# Altium PCB 控制盒基板.PcbDoc (part 1 of 8) (continued)
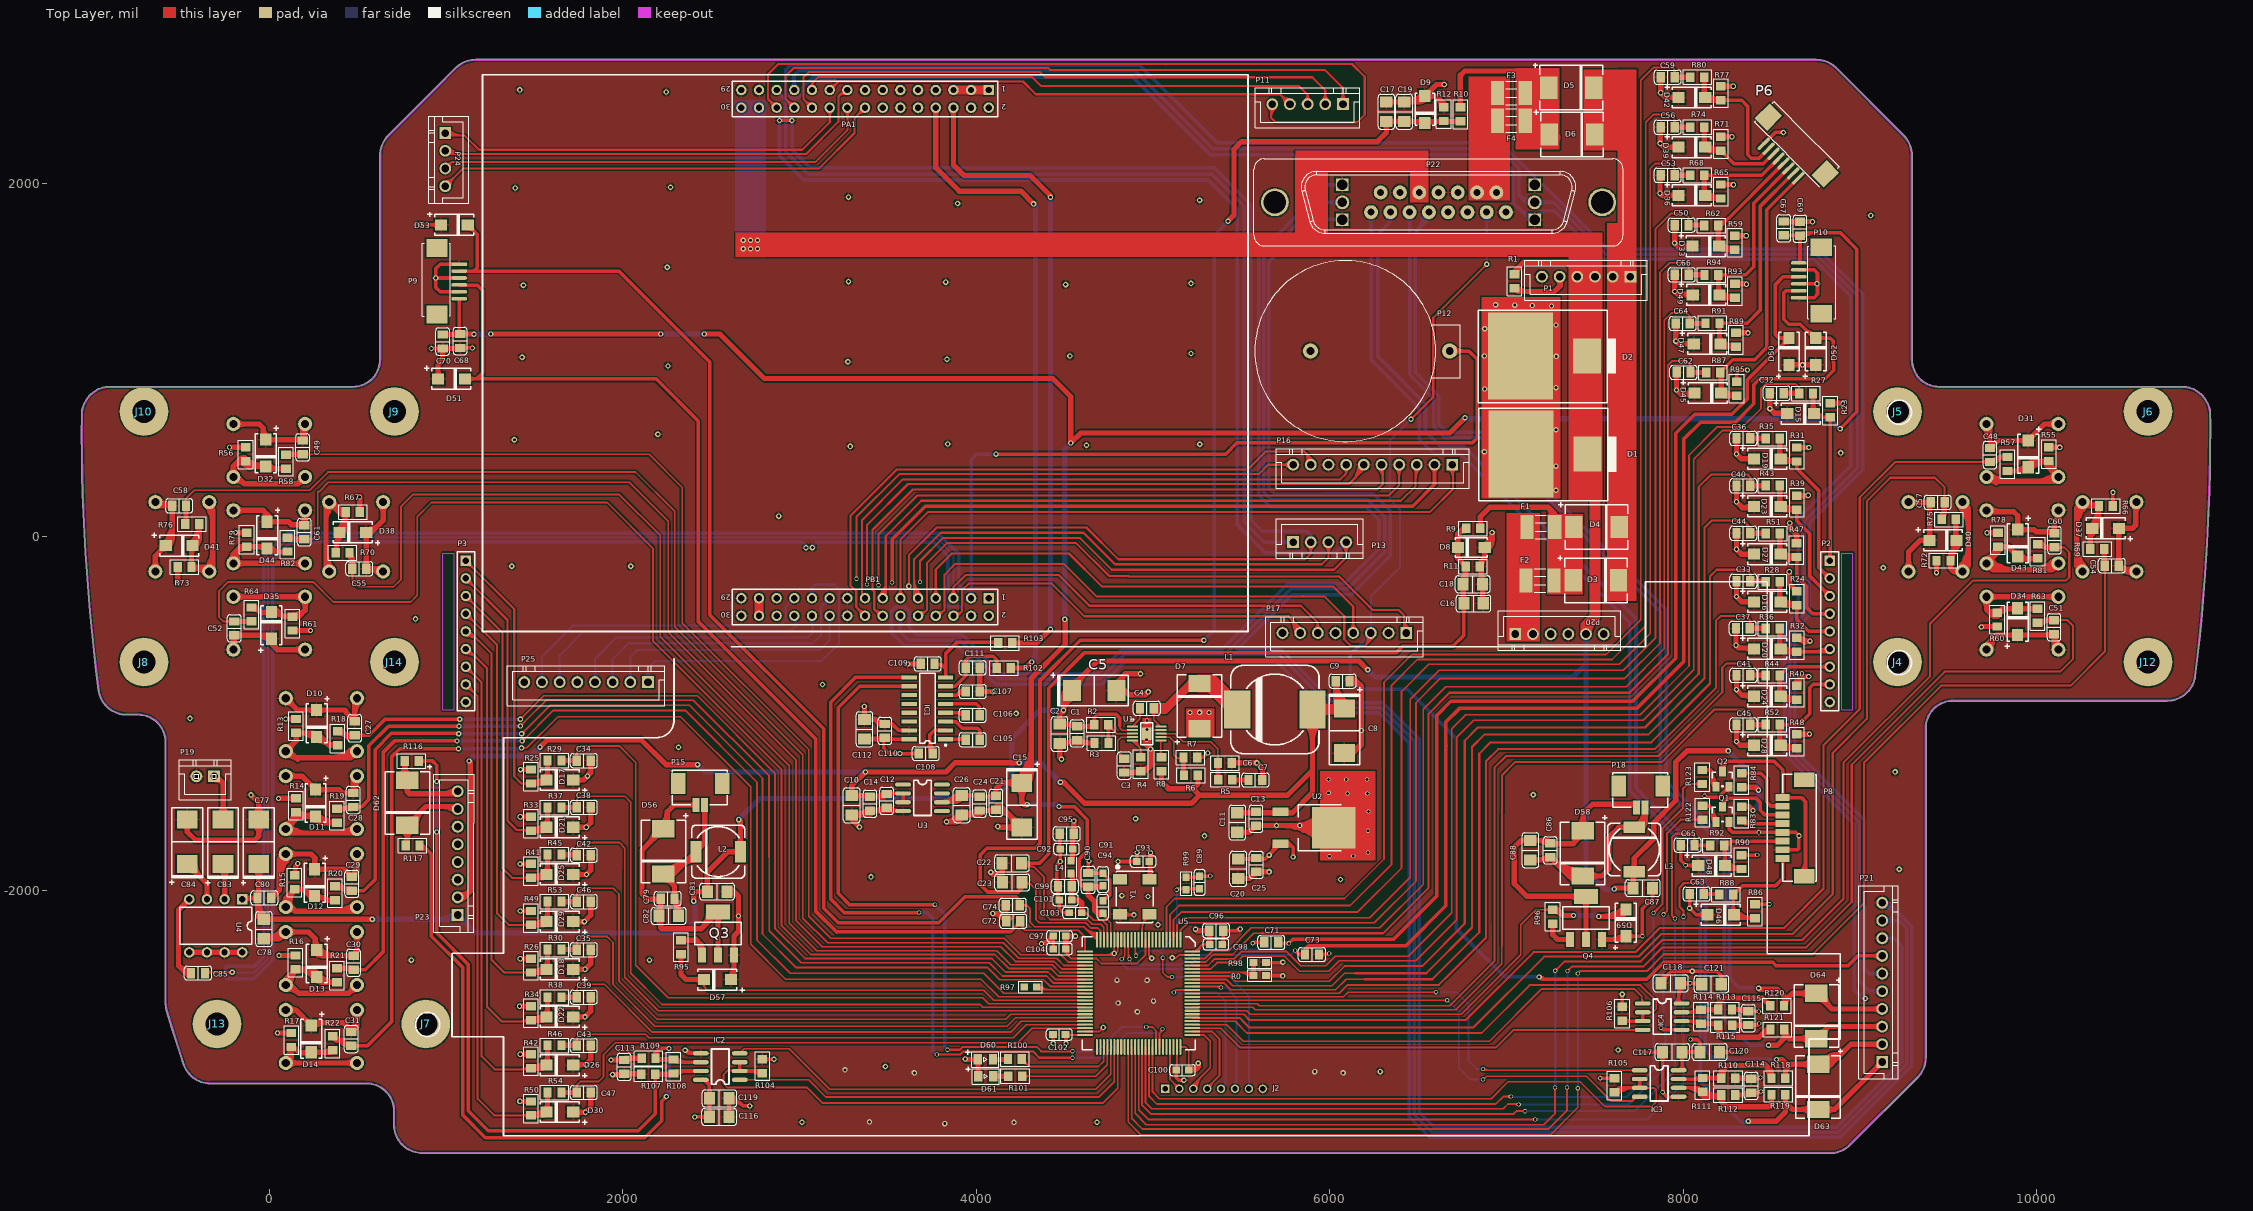
[diagram p0: Top Layer view]
## Components (designator, comment, footprint, x,y, rotation, side; value= is the part's Value field where it differs from the comment)
C1 "0.1uF" C0805 4571,-1112 r90 top
C2 "10uF" C1206 4472,-1115 r90 top
C3 "15nF" C0805 4838,-1294 r90 top
C4 "0.1uF" C0805 4966,-970 r180 top
C5 "470uF/50V" CT7343-E 4667,-869 r0 top
C6 "22pF" R0805 5407,-1279 r180 top
C7 "2200pF" C0805 5580,-1376 r180 top
C8 "100uF, 16V" CT7343-E 6083,-1098 r270 top
C9 "0.1uF" C0805 6073,-816 r0 top
C10 "22uF" C1206 3295.96,-1519 r90 top
C11 "22uF" C1206 5478,-1616 r270 top
C12 "0.1uF" C0805 3492.96,-1494 r90 top
C13 "0.1uF" C0805 5583,-1594.35 r90 top
C14 "100pF" C0805 3398.96,-1510 r90 top
C15 "100uF/16V" CT7343-E 4258,-1518 r270 top
C16 "10uF" C1206 6814,-377 r180 top
C17 "10uF" C1206 6321,2405.19 r270 top
C18 "0.1uF" C1206 6810,-268 r180 top
C19 "0.1uF" C1206 6422,2405.19 r270 top
C20 "22uF" C1206 5483,-1878 r270 top
C21 "100pF" C0805 4111.96,-1504 r90 top
C22 "100pF" C1206 4202,-1847 r0 top
C23 "100pF" C1206 4204,-1955 r0 top
C24 "0.1uF" C0805 4018.96,-1509 r90 top
C25 "0.1uF" C0805 5585,-1856.35 r90 top
C26 "22uF" C1206 3918,-1518 r90 top
C27 "100pF" C0805 484,-1083 r90 top
C28 "100pF" C0805 475,-1489 r90 top
C29 "100pF" C0805 468,-1963 r90 top
C30 "100pF" C0805 477,-2410 r90 top
C31 "100pF" C0805 464,-2841 r90 top
C32 "100pF" C0805 8530,813 r180 top
C33 "100pF" C0805 8341,-251 r180 top
C34 "100pF" C0805 1780,-1266 r0 top
C35 "100pF" C0805 1780,-2336 r0 top
C36 "100pF" C0805 8341,557 r180 top
C37 "100pF" C0805 8338,-518 r180 top
C38 "100pF" C0805 1780,-1531 r0 top
C39 "100pF" C0805 1780,-2604 r0 top
C40 "100pF" C0805 8341,289 r180 top
C41 "100pF" C0805 8341,-784 r180 top
C42 "100pF" C0805 1780,-1801 r0 top
C43 "100pF" C0805 1780,-2878 r0 top
C44 "100pF" C0805 8341,20 r180 top
C45 "100pF" C0805 8341,-1064 r180 top
C46 "100pF" C0805 1780,-2064 r0 top
C47 "100pF" C0805 1780,-3144 r0 top
C48 "100pF" C0805 9736,463 r90 top
C49 "100pF" C0805 189,506 r90 top
C50 "100pF" C0805 7991,1764 r180 top
C51 "100pF" C0805 10098,-511 r270 top
C52 "100pF" C0805 -198,-518 r270 top
C53 "100pF" C0805 7912,2046 r180 top
C54 "100pF" C0805 10425,-163 r0 top
C55 "100pF" C0805 510,-180 r0 top
C56 "100pF" C0805 7912,2318 r180 top
C57 "100pF" C0805 9440,195 r180 top
C58 "100pF" C0805 -510,176 r180 top
C59 "100pF" C0805 7912,2601 r180 top
C60 "100pF" C0805 10101,-20 r90 top
C61 "100pF" C0805 198,26 r90 top
C62 "100pF" C0805 8002,930 r180 top
C63 "100pF" C0805 8076,-2021 r180 top
C64 "100pF" C0805 7998,1207 r180 top
C65 "100pF" C0805 8025,-1744 r180 top
C66 "100pF" C0805 7992,1483 r180 top
C67 "100pF" C0805 8569.34,1745.03 r90 top
C68 "100pF" C0805 1080,1108 r270 top
C69 "1uF" C0805 8661,1743.37 r90 top
C70 "1uF" C0805 981,1105 r270 top
C71 "100pF" C0805 5670,-2295 r180 top
C72 "100pF" C0805 4210,-2175 r180 top
C73 "100pF" C0805 5900,-2363 r0 top
C74 "100pF" C0805 4207,-2085 r180 top
C77 "470uF/35V" CT7343-E -59,-1725 r90 top
C78 "10uF" C1206 -30,-2219 r90 top
C79 "0.1uF" C0805 2254,-2047 r0 top
C80 "0.1uF" C0805 -27,-2043 r180 top
C81 "10uF" C1206 2534,-2007 r180 top
C82 "10uF" C1206 2260,-2145 r180 top
C83 "470uF/35V" CT7343-E -261,-1725 r90 top
C84 "47uF/35V" CT7343-D -464,-1725 r90 top
C85 "0.1uF" C0805 -403,-2468 r180 top
C86 "0.1uF" C0805 7248,-1774 r270 top
C87 "10uF" C1206 7772,-1987 r180 top
C88 "10uF" C1206 7136,-1773 r90 top
C89 "0.1uF" C0603 5264,-1955 r90 top
C90 "10uF" C0805 4633,-1941 r90 top
C91 "0.1uF" C0603 4717,-1939 r90 top
C92 "0.1uF" C0603 4511,-1766 r0 top
C93 "0.1uF" C0603 4944.57,-1837 r0 top
C94 "100pF" C0603 4717,-2094 r90 top
C95 "10uF" C0805 4513,-1680 r0 top
C96 "10uF" C0805 5358,-2228 r0 top
C97 "0.1uF" C0603 4472,-2259 r180 top
C98 "0.1uF" C0603 5357,-2306 r0 top
C99 "10uF" C0805 4502,-1977 r0 top
C100 "0.1uF" C0603 5167,-3017 r180 top
C101 "0.1uF" C0603 4505.43,-2055 r0 top
C102 "0.1uF" C0603 4470.09,-2816 r180 top
C103 "100pF" C0603 4562,-2127 r0 top
C104 "0.1uF" C0603 4471,-2332 r180 top
C105 "0.1uF" C0805 3980,-1148 r180 top
C106 "0.1uF" C0805 3980,-1010 r180 top
C107 "15pF" C0805 3980,-875 r0 top
C108 "0.1uF" C0805 3715,-1226 r0 top
C109 "15pF" C0805 3725,-719 r180 top
C110 "0.1uF" C0805 3483,-1098 r270 top
C111 "15pF" C0805 3980,-741 r0 top
C112 "10uF" C1206 3368,-1089 r270 top
C113 "0.1uF" C0805 2008.04,-2999 r90 top
C114 "0.1uF" C0805 8385,-3106 r270 top
C115 "0.1uF" C0805 8369,-2723 r270 top
C116 "10uF" C1206 2546.04,-3282 r180 top
C117 "10uF" C1206 7939,-2915 r0 top
C118 "10uF" C1206 7930,-2526 r0 top
C119 "0.1uF" C1206 2547.04,-3177 r180 top
C120 "0.1uF" C1206 8151,-2915 r180 top
C121 "0.1uF" C1206 8160,-2531 r180 top
D1 "SM8S14A" DO-218AB 7082,468 r0 top
D2 "SM8S14A" DO-218AB 7080,1023 r0 top
D3 "MBRS410LT3" SMC 7506,-246 r0 top
D4 "MBRS410LT3" SMC 7509.6,55.12 r0 top
D5 "MBRS410LT3" SMC 7367,2541 r0 top
D6 "MBRS410LT3" SMC 7371,2277 r0 top
D7 "MBRS3201T3G" SMC 5263,-958 r90 top
D8 "1SMA5.0AT3G" SMA-S 6801,-60 r180 top
D9 "1SMA5.0AT3G" SMA-S 6538,2418 r270 top
D10 "1SMA5.0AT3G" SMA 268,-1056 r270 top
D11 "1SMA5.0AT3G" SMA 262,-1506 r270 top
D12 "1SMA5.0AT3G" SMA 257,-1957 r270 top
D13 "1SMA5.0AT3G" SMA 269,-2414 r270 top
D14 "1SMA5.0AT3G" SMA 238,-2840 r270 top
D15 "1SMA5.0AT3G" SMA 8665,697 r0 top
D16 "1SMA5.0AT3G" SMA 8476,-368 r0 top
D17 "1SMA5.0AT3G" SMA 1644.53,-1376 r180 top
D18 "1SMA5.0AT3G" SMA 1644.53,-2447 r180 top
D19 "1SMA5.0AT3G" SMA 8476,441 r0 top
D20 "1SMA5.0AT3G" SMA 8476,-634 r0 top
D21 "1SMA5.0AT3G" SMA 1644.53,-1643 r180 top
D22 "1SMA5.0AT3G" SMA 1644.53,-2716 r180 top
D23 "1SMA5.0AT3G" SMA 8476,172 r0 top
D24 "1SMA5.0AT3G" SMA 8476,-902 r0 top
D25 "1SMA5.0AT3G" SMA 1644.53,-1910 r180 top
D26 "1SMA5.0AT3G" SMA 1644.53,-2989 r180 top
D27 "1SMA5.0AT3G" SMA 8476,-98 r0 top
D28 "1SMA5.0AT3G" SMA 8476,-1179 r0 top
D29 "1SMA5.0AT3G" SMA 1644.53,-2177 r180 top
D30 "1SMA5.0AT3G" SMA 1644.53,-3254 r180 top
D31 "1SMA5.0AT3G" SMA 9952,469 r270 top
D32 "1SMA5.0AT3G" SMA -20,474 r270 top
D33 "1SMA5.0AT3G" SMA 8128.47,1645 r0 top
D34 "1SMA5.0AT3G" SMA 9892,-480 r90 top
D35 "1SMA5.0AT3G" SMA 12,-501 r90 top
D36 "1SMA5.0AT3G" SMA 8049.47,1932 r0 top
D37 "1SMA5.0AT3G" SMA 10390,48 r180 top
D38 "1SMA5.0AT3G" SMA 473,25 r180 top
D39 "1SMA5.0AT3G" SMA 8049.47,2205 r0 top
D40 "1SMA5.0AT3G" SMA 9470,-20 r0 top
D41 "1SMA5.0AT3G" SMA -510,-50 r0 top
D42 "1SMA5.0AT3G" SMA 8049.47,2486 r0 top
D43 "1SMA5.0AT3G" SMA 9893,-35 r270 top
D44 "1SMA5.0AT3G" SMA -12,10 r270 top
D45 "1SMA5.0AT3G" SMA 8139.47,814 r0 top
D46 "1SMA5.0AT3G" SMA 8212.47,-2138 r0 top
D47 "1SMA5.0AT3G" SMA 8135.47,1092 r0 top
D48 "1SMA5.0AT3G" SMA 8161.47,-1860 r0 top
D49 "1SMA5.0AT3G" SMA 8129.47,1369 r0 top
D50 "1SMA5.0AT3G" SMA 8598.34,1048.66 r90 top
D51 "1SMA5.0AT3G" SMA 1031,894 r0 top
D52 "1SMA5.0AT3G" SMA 8750.34,1048.66 r90 top
D53 "1SMA5.0AT3G" SMA 1047,1765 r0 top
D56 "1.5SMC15AT3G" SMC 2230,-1780 r270 top
D57 "1SMA5.0AT3G" SMA 2536,-2505 r180 top
D58 "1.5SMC15AT3G" SMC 7431,-1791 r270 top
D59 "1SMA5.0AT3G" SMA 7676,-2184 r90 top
D60 "LED-G" LED0805 4052,-2957 r0 top
D61 "LED-G" LED0805 4053.96,-3052.6 r0 top
D62 "1.5SMC6.8CA" SMC 781,-1505 r270 top
D63 "1.5SMC6.8CA" SMC 8764,-3112 r270 top
D64 "1.5SMC6.8CA" SMC 8753,-2711 r270 top
F1 "2A" F1812 7195,56 r0 top
F2 "2A" F1812 7190,-247 r0 top
F3 "2A" F1812 7028,2511 r0 top
F4 "2A" F1812 7028,2355 r0 top
IC1 "SP3232EEN" SO16-150 3724,-970 r90 top
IC2 "SP3078EEN-L/TR" SO-8 2662.04,-3072 r180 top
IC3 "SP3078EEN-L/TR" SO-8 7754,-3018 r0 top
IC4 "SP3078EEN-L/TR" SO-8 7771,-2640 r0 top
J2 "HD1X8-2.00" SHD1X8-2.00 5346,-3123 r0 top
J4 "Socket" HT-M3#1 8137,-887 r0 top locked
J5 "Socket" HT-M3#2 8830,1001 r0 top locked
J6 "Socket" HT-M3#3 10525,1203 r0 top locked
J7 "Socket" HT-M3#4 1397,-2759 r0 top locked
J8 "Socket" HT-M3#5 -610,-936 r0 top locked
J9 "Socket" HT-M3#6 708.66,708.66 r0 top locked
J10 "Socket" HT-M3#7 -788,461 r0 top locked
J12 "Socket" HT-M3#8 10699,-1253 r0 top locked
J13 "Socket" HT-M3#9 -545,-2431 r0 top locked
J14 "Socket" HT-M3#10 1339,-723 r0 top locked
K_H1 "SW4" SW-MEC 295.28,-1062.99 r180 bottom locked
K_H2 "SW4" SW-MEC 295.28,-1503.94 r180 bottom locked
K_H3 "SW4" SW-MEC 295.28,-1944.88 r180 bottom locked
K_H4 "SW4" SW-MEC 295.28,-2385.83 r180 bottom locked
K_H5 "SW4" SW-MEC 295.28,-2826.77 r180 bottom locked
L1 "15uH,1.5A" L5050-P 5690,-977 r0 top
L2 "15uH,1.5A" L3030-P 2540,-1781 r0 top
L3 "15uH,1.5A" L3030-P 7723,-1769 r270 top
L4 "10uH" L0603-C 4537,-1869 r270 top
P1 "Header 6" DS1X6-2.54 7451,1472 r180 top
P2 "KEY_A" HDR1X9 8829.73,-134.96 r270 top locked
P3 "KEY_A" HDR1X9 1112.4,-134.96 r270 top locked
P6 "Header 8" FFC/SM1.0-8 8602,2176 r135 top
P8 "SMT-8P" 1MM25_8PIN_SMT_R90 8664,-1682 r90 top
P9 "Header 6" FFC/SM1.0-6 1012,1446 r270 top
P10 "Header 6" FFC/SM1.0-6 8717,1450 r90 top
P11 "五线触摸屏接口" DS1X5-2.54 5875,2448 r180 top
P12 "RTC备用电池" CR2428 6285,1051 r270 top
P13 "备用视频输入输出" DS1X4-2.54 5942.87,-30 r0 top
P15 "振动电机1" 1MM25_2PIN_SMT_R90 2439,-1456 r180 top
P16 "Header 10" DS1X10-2.54 6243,408 r180 top
P17 "音频接口" DS1X8-2.54 6133,-544 r180 top
P18 "振动电机2" 1MM25_2PIN_SMT_R90 7760,-1471 r180 top
P19 "8R 喇叭接口" DS1X2-2.54 -362,-1355 r180 top
P20 "Header 6" DS1X6-2.54 7300,-550 r0 top
P21 "Header 10" DS1X10-2.54 9126,-2521 r90 top
P22 "17W2" 17W2_FEMALE 6615.66,1892.66 r0 top
P23 "Header 8" DS1X8-2.54 1066,-1840 r90 top
P24 "Header 4" DS1X4-2.54 996,2134 r270 top
P25 "Header 8" DS1X8-2.54 1843,-822 r180 top
PA1 "Header 15X2" HDR2X15 4071,2528 r180 top locked
PB1 "Header 15X2" HDR2X15 4071,-347 r180 top locked
Q1 "8050" SOT-23 8222,-1570 r0 top
Q2 "8050" SOT-23 8222,-1371 r0 top
Q3 "BCP54" SOT-223 2539,-2245 r0 top
Q4 "BCP54" SOT-223 7450,-2156 r0 top
R0 "0K" R0603 5604,-2482 r180 top
R1 "1K" R0805 7046,1446 r270 top
R2 "348K" R0805 4707,-1063 r0 top
R3 "64.9K" R0805 4709,-1166 r0 top
R4 "205K" R0805 4931,-1286 r90 top
R5 "35.7K,1%" R0805 5409,-1374 r180 top
R6 "53.6K,1%" R0805 5215,-1349 r0 top
R7 "10K" R0805 5212,-1248 r180 top
R8 "10K" R0805 5048,-1287 r270 top
R9 "100K" R0805 6812,48 r180 top
R10 "100K" R0805 6740,2391 r270 top
R11 "10K" R0805 6810,-168 r0 top
R12 "10K" R0805 6645,2392 r90 top
R13 "4.7K" R0805 152,-1070 r90 top
R14 "4.7K" R0805 151,-1519 r90 top
R15 "4.7K" R0805 144,-1955 r90 top
R16 "4.7K" R0805 149,-2408 r90 top
R17 "4.7K" R0805 125,-2847 r90 top
R18 "0.33K" R0805 387,-1140 r270 top
R19 "0.33K" R0805 384,-1578 r270 top
R20 "0.33K" R0805 372,-2016 r270 top
R21 "0.33K" R0805 383,-2481 r270 top
R22 "0.33K" R0805 359,-2866 r270 top
R23 "4.7K" R0805 8832,716 r90 top
R24 "4.7K" R0805 8643,-348 r90 top
R25 "4.7K" R0805 1481,-1356 r90 top
R26 "4.7K" R0805 1481,-2426 r90 top
R27 "0.33K" R0805 8695.53,811 r0 top
R28 "0.33K" R0805 8506.53,-254 r0 top
R29 "0.33K" R0805 1614,-1266 r180 top
R30 "0.33K" R0805 1614,-2335 r180 top
R31 "4.7K" R0805 8643,466 r90 top
R32 "4.7K" R0805 8643,-611 r90 top
R33 "4.7K" R0805 1481,-1623 r90 top
R34 "4.7K" R0805 1481,-2695 r90 top
R35 "0.33K" R0805 8506.53,557 r0 top
R36 "0.33K" R0805 8506.53,-518 r0 top
R37 "0.33K" R0805 1614,-1531 r180 top
R38 "0.33K" R0805 1614,-2605 r180 top
R39 "4.7K" R0805 8643,193 r90 top
R40 "4.7K" R0805 8643,-882 r90 top
R41 "4.7K" R0805 1481,-1890 r90 top
R42 "4.7K" R0805 1481,-2967 r90 top
R43 "0.33K" R0805 8506.53,291 r0 top
R44 "0.33K" R0805 8506.53,-785 r0 top
R45 "0.33K" R0805 1614,-1798 r180 top
R46 "0.33K" R0805 1614,-2877 r180 top
R47 "4.7K" R0805 8641,-75 r90 top
R48 "4.7K" R0805 8643,-1157 r90 top
R49 "4.7K" R0805 1481,-2156 r90 top
R50 "4.7K" R0805 1481,-3234 r90 top
R51 "0.33K" R0805 8507,19 r0 top
R52 "0.33K" R0805 8506.53,-1062 r0 top
R53 "0.33K" R0805 1614,-2063 r180 top
R54 "0.33K" R0805 1614,-3144 r180 top
R55 "4.7K" R0805 10069,468 r90 top
R56 "4.7K" R0805 -133,467 r90 top
R57 "0.33K" R0805 9835,412 r270 top
R58 "0.33K" R0805 95,425 r270 top
R59 "4.7K" R0805 8292,1664 r90 top
R60 "4.7K" R0805 9777,-468 r270 top
R61 "4.7K" R0805 132,-491 r270 top
R62 "0.33K" R0805 8159,1761 r0 top
R63 "0.33K" R0805 10005,-447 r90 top
R64 "0.33K" R0805 -101,-439 r90 top
R65 "4.7K" R0805 8213,1954 r90 top
R66 "4.7K" R0805 10392,175 r0 top
R67 "4.7K" R0805 473,140 r0 top
R68 "0.33K" R0805 8080,2046 r0 top
R69 "0.33K" R0805 10343,-69 r180 top
R70 "0.33K" R0805 415,-90 r180 top
R71 "4.7K" R0805 8213,2224 r90 top
R72 "4.7K" R0805 9473,-135 r180 top
R73 "4.7K" R0805 -479,-171 r180 top
R74 "0.33K" R0805 8080,2318 r0 top
R75 "0.33K" R0805 9503,99 r0 top
R76 "0.33K" R0805 -436,72 r0 top
R77 "4.7K" R0805 8213,2510 r90 top
R78 "4.7K" R0805 9781,-17 r90 top
R79 "4.7K" R0805 -127,-16 r90 top
R80 "0.33K" R0805 8080,2601 r0 top
R81 "0.33K" R0805 10006,-82 r270 top
R82 "0.33K" R0805 104,-44 r270 top
R83 "1K" R0805 8331,-1566 r270 top
R84 "1K" R0805 8331,-1377 r90 top
R85 "4.7K" R0805 8303,838 r90 top
R86 "4.7K" R0805 8406.53,-2119 r90 top
R87 "0.33K" R0805 8170,930 r0 top
R88 "0.33K" R0805 8243,-2024 r0 top
R89 "4.7K" R0805 8299,1115 r90 top
R90 "4.7K" R0805 8329.53,-1840 r90 top
R91 "0.33K" R0805 8166,1209 r0 top
R92 "0.33K" R0805 8192,-1746 r0 top
R93 "4.7K" R0805 8293,1392 r90 top
R94 "0.33K" R0805 8160,1482 r0 top
R95 "1K" R0805 2330,-2322 r270 top
R96 "1K" R0805 7262,-2149 r90 top
R97 "10K" R0603 4308,-2547 r180 top
R98 "10K" R0603 5604,-2409 r180 top
R99 "10K" R0603 5188,-1960.91 r270 top
R100 "470R" R0805 4219,-2954 r180 top
R101 "470R" R0805 4220.96,-3051.6 r180 top
R102 "4.7R" R0805 4156,-742 r0 top
R103 "4.7R" R0805 4164,-601 r0 top
R104 "10K" R0805 2790.04,-2995 r90 top
R105 "10K" R0805 7612,-3103 r90 top
R106 "10K" R0805 7655,-2698 r90 top
R107 "2K" R0805 2145.04,-3040 r180 top
R108 "120R(不焊)" R0805 2287.04,-2997 r270 top
R109 "2K" R0805 2146.04,-2950 r0 top
R110 "2K" R0805 8255,-3063 r0 top
R111 "120R(不焊)" R0805 8110,-3101 r90 top
R112 "2K" R0805 8255,-3158 r180 top
R113 "2K" R0805 8237,-2674 r0 top
R114 "120R(不焊)" R0805 8101,-2715 r90 top
R115 "2K" R0805 8238,-2763 r180 top
R116 "10R" R0805 806,-1268 r0 top
R117 "10R" R0805 811,-1746 r0 top
R118 "10R" R0805 8539,-3063 r180 top
R119 "10R" R0805 8539,-3156 r180 top
R120 "10R" R0805 8531,-2653 r180 top
R121 "10R" R0805 8533,-2787 r180 top
R122 "1K" R0805 8109,-1560.84 r270 top
R123 "1K" R0805 8108,-1358.84 r270 top
S1 "SW-4" SW-MEC-5 9919.53,0 r180 bottom locked
S2 "SW-4" SW-MEC-5 0,0 r180 bottom locked
U1 "TPS54160-C1" TSSO3X5-G10 4964,-1113 r0 top
U2 "MC33275DT-3.3" TO-252 5722,-1646 r270 top
U3 "REF192" SO-8 3586,-1402 r0 top
U4 "TDA7267" DIP8 -303,-2202 r180 top
U5 "STM32F103VCT6" STM32F103VCT6 4919,-2583 r270 top
Y1 "XTAL 8MHz" "XTAL 5.0X7.0-SM" 4897,-2037 r270 top

## Footprints (in the part's own frame and the unit in brackets; to place one, negate y for a bottom-side part, rotate by r counter-clockwise, add the part's x,y. Pads: shape width x height; smd on the part's side, far side on the other; paste and mask are expansions set on the pad)
1MM25_2PIN_SMT_R90 [mm]
  rect 1x2 smd: 1(-0.625,1.55) 2(0.625,1.55)
  rect 2.1x3 smd: 3(-3.175,-1.55) 4(3.175,-1.55)
  silkscreen extent -3.9,-3.43 4.02,1.52
1MM25_8PIN_SMT_R90 [mm]
  rect 1x2 smd: 1(-3.496,2.566) 2(-2.246,2.566) 3(-0.996,2.566) 4(0.254,2.566) 5(1.504,2.566) 6(2.754,2.566) 7(4.004,2.566) 8(5.254,2.566)
  rect 2.1x3 smd: 8(-6.046,-0.534) 9(7.804,-0.534)
  silkscreen extent -6.77,-2.27 8.62,2.54
17W2_FEMALE [mm]
  round 4 hole 3.2: 0(-23.52,0) 0(23.52,0)
  round 2 hole 1: 1(8.31,1.42) 2(5.54,1.42) 3(2.77,1.42) 4(0,1.42) 5(-2.77,1.42) 6(-5.54,1.42) 7(-8.31,1.42) 8(9.695,-1.42) 9(6.925,-1.42) 10(4.155,-1.42) 11(1.385,-1.42) 12(-1.385,-1.42) 13(-4.155,-1.42) 14(-6.925,-1.42) 15(-9.695,-1.42)
  round 2 hole 1.4: 16(13.82,0) 18(-13.82,0)
  rect 1.8x1.8 hole 1.5: 17(13.82,-2.5) 17(13.82,2.5) 19(-13.82,-2.5) 19(-13.82,2.5)
  silkscreen extent -26.52,-6.27 26.52,6.27, body extent -26.47,-6.27 26.57,6.28, height 13.6
C0603 [mm]
  rect 1.1x1 smd: 1(-0.9,0) 2(0.9,0)
  silkscreen extent -1.85,-0.8 1.85,0.8, body extent -0.76,-0.39 0.76,0.38, height 0.46
C0805 [mm]
  rect 1.2x1.5 smd: 1(-1,0) 2(1,0)
  silkscreen extent -1.95,-1 1.95,1, body extent -1.02,-0.64 1.02,0.64, height 0.61
C1206 [mm]
  rect 1.6x1.8 smd: 1(-1.4,0) 2(1.4,0)
  silkscreen extent -2.5,-1.2 2.5,1.2, body extent -1.52,-0.82 1.52,0.71, height 0.61
CR2428 [mm]
  round 2.2 hole 1.1: 1(0,10) 2(0,-10)
  silkscreen extent -13,-18 13,11.51
CT7343-D [mm]
  rect 2.6x3 smd: 1(-3.2,0) 2(3.2,0)
  silkscreen extent -6.2,-2.2 4.9,2.55, body extent -3.75,-2.16 3.75,2.16, height 2.8
CT7343-E [mm]
  rect 2.6x3 smd: 1(-3.2,0) 2(3.2,0)
  silkscreen extent -6.25,-2.2 4.9,2.55, body extent -3.75,-2.2 3.75,2.12, height 4
DIP8 [mm]
  rect 1.5x1.5 hole 0.9: 1(-3.823,-3.836)
  round 1.5 hole 0.9: 2(-1.283,-3.836) 3(1.257,-3.836) 4(3.797,-3.836) 5(3.797,3.784) 6(1.257,3.784) 7(-1.283,3.784) 8(-3.823,3.784)
  silkscreen extent -5.16,-2.68 5.14,2.62
DO-218AB [mm]
  rect 9.3x12.5 smd: 1(0,0)
  rect 4x5 smd: 2(9.55,0)
  silkscreen extent -6.1,-6.73 13.72,6.6
DS1X2-2.54 [mm]
  rect 1.7x1.7 hole 1.1: 1(-1.27,0)
  round 1.7 hole 1.1: 2(1.27,0)
  silkscreen extent -3.72,-2.35 3.72,3.35, body extent -3.71,-2.36 3.73,3.34, height 7
DS1X4-2.54 [mm]
  rect 1.7x1.7 hole 1.1: 1(-3.81,0)
  round 1.7 hole 1.1: 2(-1.27,0) 3(1.27,0) 4(3.81,0)
  silkscreen extent -6.25,-2.34 6.27,3.36, body extent -6.31,-2.33 6.21,3.37, height 7
DS1X5-2.54 [mm]
  rect 1.7x1.7 hole 1.1: 1(-5.08,0)
  round 1.7 hole 1.1: 2(-2.54,0) 3(0,0) 4(2.54,0) 5(5.08,0)
  silkscreen extent -7.52,-2.34 7.54,3.36, body extent -7.53,-2.33 7.53,3.37, height 7
DS1X6-2.54 [mm]
  rect 1.7x1.7 hole 1.1: 1(-6.35,0)
  round 1.7 hole 1.1: 2(-3.81,0) 3(-1.27,0) 4(1.27,0) 5(3.81,0) 6(6.35,0)
  silkscreen extent -8.79,-2.34 8.81,3.36, body extent -8.79,-2.35 8.81,3.35, height 7
DS1X8-2.54 [mm]
  rect 1.7x1.7 hole 1.1: 1(-7.62,0)
  round 1.7 hole 1.1: 2(-5.08,0) 3(-2.54,0) 4(0,0) 5(2.54,0) 6(5.08,0) 7(7.62,0) 8(10.16,0)
  silkscreen extent -10.06,-2.34 12.62,3.4
DS1X10-2.54 [mm]
  rect 1.7x1.7 hole 1.1: 1(-11.43,0)
  round 1.7 hole 1.1: 2(-8.89,0) 3(-6.35,0) 4(-3.81,0) 5(-1.27,0) 6(1.27,0) 7(3.81,0) 8(6.35,0) 9(8.89,0) 10(11.43,0)
  silkscreen extent -13.88,-2.32 13.88,3.38, body extent -13.87,-2.29 13.89,3.41, height 7
F1812 [mm]
  rect 1.9x3.5 smd: 1(-2,0) 2(2,0)
  silkscreen extent -0.8,-1.7 0.8,1.7, body extent -2.29,-1.65 2.31,1.65, height 0.69
FFC/SM1.0-6 [mm]
  rect 2.54x3.08 smd: 0(-4.77,-1.6) 0(4.77,-1.6)
  rect 0.508x2.286 smd: 1(-2.47,1.6)
  oval 0.508x2.286 smd: 2(-1.47,1.6) 3(-0.47,1.6) 4(0.53,1.6) 5(1.53,1.6) 6(2.53,1.6)
  silkscreen extent -5.47,-3.73 5.01,0.3
FFC/SM1.0-8 [mil]
  rect 100x121.26 smd: 0(-229.17,-55.99) 0(225.16,-55.99)
  rect 20x90 smd: 1(-138.61,69.99)
  oval 20x90 smd: 2(-99.24,69.99) 3(-59.87,69.99) 4(-20.5,69.99) 5(18.87,69.99) 6(58.24,69.99) 7(97.61,69.99) 8(136.98,69.99)
  silkscreen extent -257,-140 267,19
HDR1X9 [mm] "Connector; Header; 9 Position"
  rect 1.5x1.5 hole 0.9: 1(0,0)
  round 1.5 hole 0.9: 2(2.54,0) 3(5.08,0) 4(7.62,0) 5(10.16,0) 6(12.7,0) 7(15.24,0) 8(17.78,0) 9(20.32,0)
  silkscreen extent -1.27,-1.27 21.59,1.27
HDR2X15 [mm] "Connector; Header; 15x2 Position"
  rect 1.5x1.5 hole 0.9: 1(0,0)
  round 1.5 hole 0.9: 2(0,2.54) 3(2.54,0) 4(2.54,2.54) 5(5.08,0) 6(5.08,2.54) 7(7.62,0) 8(7.62,2.54) 9(10.16,0) 10(10.16,2.54) 11(12.7,0) 12(12.7,2.54) 13(15.24,0) 14(15.24,2.54) 15(17.78,0) 16(17.78,2.54) 17(20.32,0) 18(20.32,2.54) 19(22.86,0) 20(22.86,2.54) 21(25.4,0) 22(25.4,2.54) 23(27.94,0) 24(27.94,2.54) 25(30.48,0) 26(30.48,2.54) 27(33.02,0) 28(33.02,2.54) 29(35.56,0) 30(35.56,2.54)
  silkscreen extent -1.27,-1.27 36.83,3.81
HT-M3#1 [mm]
  round 7 hole 3.3: 1(27.32,4.53)
HT-M3#2 [mm]
  round 7 hole 3.3: 1(9.718,-7.425)
HT-M3#3 [mm]
  round 7 hole 3.3: 1(2.665,-12.556)
HT-M3#4 [mm]
  round 7 hole 3.3: 1(-12.984,0.079)
HT-M3#5 [mm]
  round 7 hole 3.3: 1(-2.506,5.774)
HT-M3#6 [mm]
  round 7 hole 3.3: 1(0,0)
HT-M3#7 [mm]
  round 7 hole 3.3: 1(2.015,6.291)
HT-M3#8 [mm]
  round 7 hole 3.3: 1(-1.754,13.826)
HT-M3#9 [mm]
  round 7 hole 3.3: 1(6.343,-8.253)
HT-M3#10 [mm]
  round 7 hole 3.3: 1(-16.011,0.364)
L0603-C [mm]
  rect 1.1x1 smd: 1(-0.9,0) 2(0.9,0)
  silkscreen extent -1.45,-0.8 1.45,0.8, body extent -0.76,-0.39 0.76,0.38, height 0.46
L3030-P [mm]
  rect 1.6x3.1 smd: 1(-3.2,0) 2(3.2,0)
  silkscreen extent -3.8,-3.8 3.8,3.8, body extent -3.5,-3.55 3.5,3.45, height 4.36
L5050-P [mm]
  rect 3.8x5.4 smd: 1(-5.4,0) 2(5.4,0)
  silkscreen extent -6.35,-6.35 6.35,6.35, body extent -6.18,-5.97 6.12,6.33, height 6
LED0805 [mm]
  rect 1.2x1.5 smd: 1(-1.1,0) 2(1.1,0)
  silkscreen extent -2.9,-1.1 1.95,1.4, body extent -1.02,-0.64 1.02,0.64, height 0.56
R0603 [mm]
  rect 1.1x1 smd: 1(-0.9,0) 2(0.9,0)
  silkscreen extent -1.7,-0.8 1.7,0.8, body extent -0.79,-0.39 0.74,0.38, height 0.46
R0805 [mm]
  rect 1.2x1.4 smd: 1(-1,0) 2(1,0)
  silkscreen extent -2.05,-1.05 2.05,1.05, body extent -1.02,-0.65 1.02,0.62, height 0.61
SHD1X8-2.00 [mm]
  rect 1.2x1.2 hole 0.762: 1(-7,0)
  round 1.2 hole 0.762: 2(-5,0) 3(-3,0) 4(-1,0) 5(1,0) 6(3,0) 7(5,0) 8(7,0)
SMA [mm]
  rect 1.75x1.6 smd: 1(-1.925,0) 2(1.925,0)
  silkscreen extent -3.9,-1.5 2.8,1.85
SMA-S [mm]
  rect 1.75x1.6 smd: 1(-1.925,0) 2(1.925,0)
  silkscreen extent -2.3,-1.5 2.3,1.5, body extent -2.6,-1.33 2.6,1.33, height 2.15
SMC [mm]
  rect 2.5x3.2 smd: 1(-3.25,0) 2(3.25,0)
  silkscreen extent -5.5,-3.2 4.5,3.55, body extent -3.8,-3.1 3.8,3.12, height 2.8
SO16-150 [mm]
  rect 0.6x2.2 smd: 1(-4.445,-2.6) 2(-3.175,-2.6) 3(-1.905,-2.6) 4(-0.635,-2.6) 5(0.635,-2.6) 6(1.905,-2.6) 7(3.175,-2.6) 8(4.445,-2.6) 9(4.445,2.6) 10(3.175,2.6) 11(1.905,2.6) 12(0.635,2.6) 13(-0.635,2.6) 14(-1.905,2.6) 15(-3.175,2.6) 16(-4.445,2.6)
  silkscreen extent -5.42,-2.72 5,1.1, body extent -4.95,-2.92 5.02,3.02, height 1.35
SO-8 [mil]
  oval 90x24 smd: 1(0.04,0.29) 2(0.04,-49.71) 3(0.04,-99.71) 4(0.04,-149.71) 5(220.04,-149.71) 6(220.04,-99.71) 7(220.04,-49.71) 8(220.04,0.29)
  silkscreen extent 60,-175 160,25
SOT-23 [mm]
  rect 1x1.4 smd: 1(-0.95,-1.1) 2(0.95,-1.1) 3(0,1.1)
  silkscreen extent -1.47,-1.02 1.45,1, body extent -1.41,-1 1.38,1.42, height 1.09
SOT-223 [mm]
  rect 1.1x2.15 smd: 1(-2.3,-3.1) 2(0,-3.1) 3(2.3,-3.1)
  rect 3.5x2.15 smd: 4(0,3.1)
  silkscreen extent -3.35,-1.63 3.35,1.62, body extent -3.15,-3.3 3.15,3.3, height 1.8
STM32F103VCT6 [mil]
  rect 90x11.5 smd: 1(-303.15,236.22)
  oval 90x11.5 smd: 2(-303.15,216.54) 3(-303.15,196.85) 4(-303.15,177.17) 5(-303.15,157.48) 6(-303.15,137.8) 7(-303.15,118.11) 8(-303.15,98.43) 9(-303.15,78.74) 10(-303.15,59.06) 11(-303.15,39.37) 12(-303.15,19.69) 13(-303.15,0) 14(-303.15,-19.68) 15(-303.15,-39.37) 16(-303.15,-59.05) 17(-303.15,-78.74) 18(-303.15,-98.42) 19(-303.15,-118.11) 20(-303.15,-137.8) 21(-303.15,-157.48) 22(-303.15,-177.16) 23(-303.15,-196.85) 24(-303.15,-216.53) 25(-303.15,-236.22) 51(303.15,-236.22) 52(303.15,-216.53) 53(303.15,-196.85) 54(303.15,-177.16) 55(303.15,-157.48) 56(303.15,-137.8) 57(303.15,-118.11) 58(303.15,-98.42) 59(303.15,-78.74) 60(303.15,-59.05) 61(303.15,-39.37) 62(303.15,-19.68) 63(303.15,0) 64(303.15,19.69) 65(303.15,39.37) 66(303.15,59.06) 67(303.15,78.74) 68(303.15,98.43) 69(303.15,118.11) 70(303.15,137.8) 71(303.15,157.48) 72(303.15,177.17) 73(303.15,196.85) 74(303.15,216.54) 75(303.15,236.22)
  oval 11.5x90 smd: 26(-236.22,-303.15) 27(-216.54,-303.15) 28(-196.85,-303.15) 29(-177.17,-303.15) 30(-157.48,-303.15) 31(-137.8,-303.15) 32(-118.11,-303.15) 33(-98.43,-303.15) 34(-78.74,-303.15) 35(-59.06,-303.15) 36(-39.37,-303.15) 37(-19.69,-303.15) 38(0,-303.15) 39(19.68,-303.15) 40(39.37,-303.15) 41(59.05,-303.15) 42(78.74,-303.15) 43(98.42,-303.15) 44(118.11,-303.15) 45(137.79,-303.15) 46(157.48,-303.15) 47(177.16,-303.15) 48(196.85,-303.15) 49(216.53,-303.15) 50(236.22,-303.15) 76(236.22,303.15) 77(216.53,303.15) 78(196.85,303.15) 79(177.16,303.15) 80(157.48,303.15) 81(137.79,303.15) 82(118.11,303.15) 83(98.42,303.15) 84(78.74,303.15) 85(59.05,303.15) 86(39.37,303.15) 87(19.68,303.15) 88(0,303.15) 89(-19.69,303.15) 90(-39.37,303.15) 91(-59.06,303.15) 92(-78.74,303.15) 93(-98.43,303.15) 94(-118.11,303.15) 95(-137.8,303.15) 96(-157.48,303.15) 97(-177.17,303.15) 98(-196.85,303.15) 99(-216.54,303.15) 100(-236.22,303.15)
  silkscreen extent -319,-319 319,319
SW-MEC [mil]
  round 80 hole 46: 1(-201.58,150) 1(201.57,150) 2(-201.58,-150) 2(201.57,-150)
  silkscreen extent -210,-158 215,192, body extent -202,-200 211,194, height 395
SW-MEC-5 [mil]
  round 80 hole 46: 1(-202.95,638.19) 1(202.95,638.19) 2(-202.95,338.98) 2(202.95,338.98) 3(-202.95,-638.19) 3(202.95,-638.19) 4(-202.95,-338.98) 4(202.95,-338.98) 5(644.29,-196.46) 5(644.29,196.46) 6(339.37,-196.46) 6(339.37,196.46) 7(-644.29,-196.46) 7(-644.29,196.46) 8(-339.37,-196.46) 8(-339.37,196.46) 9(-202.95,150) 9(202.95,150) 10(-202.95,-150) 10(202.95,-150)
  silkscreen extent -686,-627 680,664, body extent -690,-688 687,688, height 457
TO-252 [mm] "DPAK"
  rect 1.2x2.28 smd: 1(-2.29,0) 3(2.29,0)
  rect 6x6.23 smd: 2(0,7.64)
  silkscreen extent -3.29,2.51 3.31,8.7, body extent -3.35,-0.29 3.35,9.72, height 2.3
TSSO3X5-G10 [mm]
  rect 1.6x0.3 smd: 1(-2.05,1) 2(-2.05,0.5) 3(-2.05,0) 4(-2.05,-0.5) 5(-2.05,-1) 6(2.05,-1) 7(2.05,-0.5) 8(2.05,0) 9(2.05,0.5) 10(2.05,1)
  rect 1.45x1.8 smd: 11(0,0)
  silkscreen extent -2.18,-1.58 0.85,2.12
"XTAL 5.0X7.0-SM" [mm]
  rect 1.5x2 smd: 1(-2.5,-2.1) 2(2.5,-2.1) 3(2.5,2.1) 4(-2.5,2.1)
  silkscreen extent -4.5,-2.65 3.7,2.65, body extent -3.55,-2.55 3.45,2.45, height 1.5

## Part data
C1 C2 C10 C11 C12 C13 C14 C16 C17 C18 C19 C20 C21 C22 C23 C24 C25 C26 C78 C80 C81 C82 C87 C88 C89 C90 C91 C92 C94 C95 C96 C97 C98 C99 C100 C101 C102 C103 C104 C105 C106 C108 C110 C112 C113 C114 C115 C116 C117 C118 C119 C120 C121: library part CAP, "CAP"
C3: library part Cap, "CAP, CERAMIC, 15nF, 16V, X5R, 0603"
C4 C9: library part Cap, "CAP, CERAMIC, 0.1UF, 16V, X5R, 0603"
C5 C77 C83 C84: library part ELECTRO, "Electrolytic Capacitor"
C6 C7 C27 C28 C29 C30 C31 C32 C33 C34 C35 C36 C37 C38 C39 C40 C41 C42 C43 C44 C45 C46 C47 C48 C49 C50 C51 C52 C53 C54 C55 C56 C57 C58 C59 C60 C61 C62 C63 C64 C65 C66 C67 C68 C69 C70 C71 C72 C73 C74 C79 C85 C86 C93 C107 C109 C111: library part Cap, "Capacitor"
C8: library part "Cap Pol1", "Polarized Capacitor (Radial)"
C15: library part CAP-ELECTRO, "Electrolytic Capacitor"
D1 D2 D3 D4 D5 D6 D7 D56 D58: library part DIODE-ZENER, "Small Signal Zener Diodes"
D8 D9: library part DIODE-SWITCHING, "Silicon Epitaxial Planar Diodes"
D10 D11 D12 D13 D14 D15 D16 D17 D18 D19 D20 D21 D22 D23 D24 D25 D26 D27 D28 D29 D30 D31 D32 D33 D34 D35 D36 D37 D38 D39 D40 D41 D42 D43 D44 D45 D46 D47 D48 D49 D50 D51 D52 D53 D57 D59: library part DIODE1, "Diode"
D60 D61: library part LED
D62 D63 D64: library part P0080_1
F1 F2 F3 F4: library part FUSE2, "Fuse"
IC1: library part MAX232ACPE, "+5V Powered, Multi-Channel RS-232 Driver/Receiver"
IC2 IC3 IC4: library part SP3078EEN
J2: library part HEADER1X8
K_H1 K_H2 K_H3 K_H4 K_H5: library part SW-key
L1 L2 L3: library part Inductor, "Inductor"
L4: library part INDUCTOR, "INDUCTOR"
P1 P9 P10 P20: "Header, 6-Pin"
P2 P3: library part "Header 9", "Header, 9-Pin"
P6 P23 P25: "Header, 8-Pin"
P11: library part "Header 5", "Header, 5-Pin"
P12 P15 P18 P19: library part "Header 2", "Header, 2-Pin"
P13: library part "Header 4", "Header, 4-Pin"
P16 P21: "Header, 10-Pin"
P17: library part "Header 8", "Header, 8-Pin"
P22: "Connector"
P24: "Header, 4-Pin"
PA1 PB1: "Header, 15-Pin, Dual row"
Q1 Q2: library part NPN, "NPN General Purpose Amplifier"
R0 R97 R98 R99 R100 R101 R103: library part Res, "Resistor"
R1 R2 R3 R4 R5 R6 R7 R8 R9 R10 R11 R12: library part Res1, "Resistor"
R13 R14 R15 R16 R17 R18 R19 R20 R21 R22 R23 R24 R25 R26 R27 R28 R29 R30 R31 R32 R33 R34 R35 R36 R37 R38 R39 R40 R41 R42 R43 R44 R45 R46 R47 R48 R49 R50 R51 R52 R53 R54 R55 R56 R57 R58 R59 R60 R61 R62 R63 R64 R65 R66 R67 R68 R69 R70 R71 R72 R73 R74 R75 R76 R77 R78 R79 R80 R81 R82 R83 R84 R85 R86 R87 R88 R89 R90 R91 R92 R93 R94 R95 R96 R102 R104 R105 R106 R107 R108 R109 R110 R111 R112 R113 R114 R115 R116 R117 R118 R119 R120 R121 R122 R123: library part RES, "Resistor"
U2: library part MC78MXX, "3-Terminal 0.5A Positive Voltage Regulator"
U3: library part REF192/5/7
U4: "2W功放芯片"
Y1: library part XTAL

## Via types
v1: diameter 30, hole 16, Top Layer to Bottom Layer, tented both sides, 209 vias
v2: diameter 24, hole 16, Top Layer to Bottom Layer, tented both sides, 75 vias
v3: diameter 30, hole 18, Top Layer to Bottom Layer, tented both sides, 57 vias
v4: diameter 28, hole 18, Top Layer to Bottom Layer, tented both sides, 10 vias

## Nets (pads, with @x,y where several pads share a name; then routed paths per layer and width w, separated by ;. In a path a pad name is that pad's centre, name@x,y a point inside that pad or via, vN(x,y) a via of type N, cw(c..) or ccw(c..) an arc to the next point about the centre after c; other vN are vias at no path point)
+2.5V_S: C15.1 C21.2 C24.2 C26.2 C67.1 C68.1 C69.1 C70.1 C90.1 C91.1 C94.1 P9.6 P10.6 U3.6 U5.21 | length 18807.6
  Top Layer w10: C94.1@4715.24,-2135.74 cw(c4699.14,-2175.44) 4740.51,-2164.35 ; C94.1@4717,-2129.43 4717,-2140.43 4761.52,-2184.95 U5.21@4761.52,-2279.85 U5.21@4761.52,-2241.37 ; C94.1@4719,-2126.48 cw(c4708.6,-2152.1) C94.1@4735.31,-2144.94 ; C94.1@4717,-2146.09 cw(c4717,-2159.74) 4726.65,-2150.08 ccw(c4717,-2159.74) C94.1@4717,-2146.09 ; C94.1@4721.69,-2131.4 ccw(c4754.8,-2131.4) 4731.39,-2154.82 cw(c4754.8,-2131.4) C94.1@4721.69,-2131.4 ; C94.1@4731.69,-2131.4 ccw(c4788.94,-2131.4) 4748.46,-2171.89 cw(c4788.94,-2131.4) C94.1@4731.69,-2131.4
  Top Layer w20: P9.6@1074.99,1346.39 1074.99,1152.38 C68.1@1080,1147.37 ; U3.6@3784,-1501.71 3879.17,-1501.71 ; U3.6@3823.45,-1492.71 cw(c3827.93,-1495.29) U3.6@3826.59,-1490.3 ; 3840.72,-1488.52 cw(c3878.33,-1542.69) C26.2@3905.28,-1482.5 ; U3.6@3840.77,-1502.71 cw(c3854.07,-1510.38) 3850.09,-1495.55 ; 3867.74,-1493.28 cw(c3900.15,-1539.96) C26.2@3910.24,-1484.04 ; 3869.83,-1468.31 cw(c3895.24,-1504.92) C26.2@3913.45,-1464.25 ; 3873.47,-1489.3 ccw(c3846.69,-1450.72) C26.2@3892.91,-1459.06 ; 3881.14,-1499.74 ccw(c3852.31,-1470.91) C26.2@3892.75,-1465.65 ; 3890.44,-1501.04 ccw(c3879.19,-1484.85) C26.2@3895.87,-1474.34 ; C26.2@3892.65,-1464.74 cw(c3846.23,-1468.76) 3879.18,-1501.71 ; C21.2@4111.96,-1464.63 4106.96,-1469.63 C24.2@4018.96,-1469.63 4012.21,-1462.88 C26.2@3918,-1462.88 3879.17,-1501.71 ; v1(4468,-1526) 4554,-1526 4629,-1601 4629,-1777 4584,-1822 4584,-1959 ; 4594.86,-1969.86 ccw(c4606.62,-1958.11) C90.1@4617.87,-1970.34 ; C90.1@4622.46,-1967.56 cw(c4609.96,-1933.04) 4584,-1959 ; C90.1@4633,-1980.37 4605.37,-1980.37 4584,-1959 ; C67.1@8569.34,1705.66 8659.34,1705.66 C69.1@8661,1704 ; C69.1@8674.91,1715.02 ccw(c8693.44,1740.5) 8709.19,1713.22 ; v1(8888,612) 8983,707 8983,1627 8890,1720 8677,1720 C69.1@8661,1704 ; 3973.83,-1462.88 ccw(c3973.83,-1514.78) 3937.14,-1478.08 cw(c3973.83,-1514.78) 3973.83,-1462.88 ; 3973.83,-1462.88 cw(c3973.83,-1410.99) 3937.14,-1447.68 ccw(c3973.83,-1410.99) 3973.83,-1462.88 ; 4057.75,-1469.63 ccw(c4057.75,-1502.52) 4034.5,-1479.26 cw(c4057.75,-1502.52) 4057.75,-1469.63 ; 4057.75,-1469.63 cw(c4057.75,-1436.74) 4034.5,-1460 ccw(c4057.75,-1436.74) 4057.75,-1469.63 ; 8608.13,1705.66 ccw(c8608.13,1672.77) 8584.88,1696.03 cw(c8608.13,1672.77) 8608.13,1705.66 ; 8608.13,1705.66 cw(c8608.13,1738.55) 8584.88,1715.29 ccw(c8608.13,1738.55) 8608.13,1705.66 ; P10.6@8654.01,1549.61 ccw(c8637.13,1566.49) 8661,1566.49 cw(c8637.13,1566.49) P10.6@8654.01,1549.61 ; P10.6@8654.01,1549.61 8661,1556.6 C69.1@8661,1704 ; 8661,1671.11 ccw(c8628.11,1671.11) 8651.37,1694.37 cw(c8628.11,1671.11) 8661,1671.11 ; 8661,1671.11 cw(c8693.89,1671.11) 8670.63,1694.37 ccw(c8693.89,1671.11) 8661,1671.11 ; C68.1@1064.46,1157 ccw(c1039.04,1182.42) 1074.99,1182.42 cw(c1039.04,1182.42) C68.1@1064.46,1157 ; 1074.99,1178.09 ccw(c1104.81,1178.09) 1083.73,1157 cw(c1104.81,1178.09) 1074.99,1178.09 ; U3.6@3784.01,-1501.71 ccw(c3784.01,-1352.85) 3897.65,-1449 cw(c3784.01,-1352.85) U3.6@3784.01,-1501.71 ; U3.6@3827.13,-1501.71 ccw(c3827.13,-1389.33) 3912.92,-1461.92 cw(c3827.13,-1389.33) U3.6@3827.13,-1501.71 ; 3870.25,-1501.71 ccw(c3870.25,-1425.81) 3928.19,-1474.83 cw(c3870.25,-1425.81) 3870.25,-1501.71 ; 3884.09,-1496.79 cw(c3914.06,-1526.77) 3914.06,-1484.38 ccw(c3914.06,-1526.77) 3884.09,-1496.79 ; 3963.88,-1462.88 cw(c3963.88,-1518.81) 4003.42,-1479.26 ccw(c3963.88,-1518.81) 3963.88,-1462.88 ; 4061.1,-1469.63 ccw(c4061.1,-1419.67) 4096.42,-1455 cw(c4061.1,-1419.67) 4061.1,-1469.63 ; 8618.2,1705.66 cw(c8618.2,1667.1) 8645.46,1694.37 ccw(c8618.2,1667.1) 8618.2,1705.66 ; 8626.22,1705.66 ccw(c8626.22,1732.88) 8645.46,1713.63 cw(c8626.22,1732.88) 8626.22,1705.66 ; C69.1@8662.4,1708.51 cw(c8690.14,1680.77) 8690.14,1720 ccw(c8690.14,1680.77) C69.1@8662.4,1708.51 ; C69.1@8676.54,1694.37 cw(c8738.42,1632.49) 8738.42,1720 ccw(c8738.42,1632.49) C69.1@8676.54,1694.37
  Top Layer w30: C70.1@981,1144.37 1077,1144.37 C68.1@1080,1147.37 1156.63,1147.37 v1(1158,1146) ; v1(1253,1148) v1(2215,1148) ; v1(2461,1148) 2549,1148 2801,896 4433,896 4535,794 v1(4535,531) 4592,588 6679,588 v1(6765,674) ; C21.2@4111.96,-1464.63 4111.96,-1424.04 4145,-1391 C15.1@4256.98,-1391 ; C15.1@4256.51,-1357.07 ccw(c4239.18,-1292.39) 4297.17,-1325.87 ; 4258.98,-1502.98 ccw(c4288,-1473.96) v1(4288,-1515) ; 4266.5,-1510.5 ccw(c4280.69,-1496.31) v1(4288,-1515) ; 4268.5,-1317.84 ccw(c4325.99,-1351.21) C15.1@4270.99,-1388.54 ; 4292.46,-1276.55 ccw(c4369.82,-1321.46) C15.1@4295.81,-1371.7 ; C15.1@4299.32,-1378.22 cw(c4365.75,-1350.81) 4303.52,-1314.88 ; v1(4501,-467) 4504,-470 4504,-608 4311,-801 4311,-1336.98 ; 4695.43,-2138.43 4669.43,-2112.43 ; C94.1@4715.47,-2123.04 cw(c4700.93,-2080.94) 4669.43,-2112.43 ; C91.1@4717,-1974.43 4711.06,-1980.37 C90.1@4633,-1980.37 4633,-2026.83 4669.43,-2063.26 4669.43,-2112.43 ; C15.1@4256.98,-1391 C15.1@4258,-1392.02 4258,-1502 4271,-1515 v1(4288,-1515) ; C15.1@4256.98,-1391 4311,-1336.98 ; 4258,-1479.37 ccw(c4170.65,-1479.37) 4232.42,-1417.6 cw(c4170.65,-1479.37) 4258,-1479.37 ; 4258,-1479.37 cw(c4345.35,-1479.37) 4283.58,-1417.6 ccw(c4345.35,-1479.37) 4258,-1479.37 ; 4311,-1336.99 ccw(c4341.74,-1367.73) 4300.33,-1380.99 cw(c4341.74,-1367.73) 4311,-1336.99 ; 1046.04,1144.37 ccw(c1046.04,1175.43) 1068,1153.47 cw(c1046.04,1175.43) 1046.04,1144.37 ; 4160.32,-1391 cw(c4160.32,-1481.82) 4224.54,-1417.6 ccw(c4160.32,-1481.82) 4160.32,-1391 ; 4165.23,-1391 ccw(c4165.23,-1307.12) 4224.54,-1366.43 cw(c4165.23,-1307.12) 4165.23,-1391 ; C15.1@4240.29,-1366.43 ccw(c4069.58,-1195.73) 4311,-1195.73 cw(c4069.58,-1195.73) C15.1@4240.29,-1366.43 ; C15.1@4261.5,-1387.65 ccw(c4142.01,-1268.15) 4311,-1268.15 cw(c4142.01,-1268.15) C15.1@4261.5,-1387.65 ; C15.1@4265.87,-1355.84 ccw(c4265.87,-1292.4) 4310.73,-1337.26 cw(c4265.87,-1292.4) C15.1@4265.87,-1355.84 ; C15.1@4282.72,-1408.86 ccw(c4214.44,-1340.58) 4311,-1340.58 cw(c4214.44,-1340.58) C15.1@4282.72,-1408.86 ; 4696.11,-1980.37 ccw(c4696.11,-1955.51) 4713.69,-1973.09 cw(c4696.11,-1955.51) 4696.11,-1980.37
  Bottom Layer w30: v1(1158,1146) 1251,1146 v1(1253,1148) ; v1(2215,1148) v1(2461,1148) v1@2464,1145 ; v1(4288,-1515) 4457,-1515 v1(4468,-1526) ; v1(4501,-467) 4501,497 v1(4535,531) ; v1(8888,612) 8832,668 6771,668 v1(6765,674) ; v1(4468,-1526) ccw(c4441.44,-1552.56) 4441.44,-1515 cw(c4441.44,-1552.56) v1(4468,-1526) ; v1(6765,674) ccw(c6779.49,688.49) 6779.49,668 cw(c6779.49,688.49) v1(6765,674)
+3.3V_A: C99.2 C101.2 C103.2 L4.2 U5.22 | length 729.7
  Top Layer w10: C103.2@4597.43,-2127 4621,-2127 ; C103.2@4602.65,-2130.38 cw(c4613.51,-2141.67) 4624.59,-2130.59 ; C103.2@4609.58,-2137.58 cw(c4620.58,-2149.02) 4631.8,-2137.8 ; U5.22@4741.83,-2279.85 4741.83,-2197.83 4714,-2170 4664,-2170 4621,-2127 ; 4621,-2127 ccw(c4621,-2135.54) 4613.06,-2132.4 cw(c4621,-2135.54) 4621,-2127 ; 4621,-2127 cw(c4621,-2118.46) 4613.06,-2121.6 ccw(c4621,-2118.46) 4621,-2127
  Top Layer w30: C101.2@4540.86,-2055 C101.2@4541.37,-2055 ; L4.2@4545,-1903.43 4545,-1973.37 C99.2@4541.37,-1977 C101.2@4541.37,-2055 ; C103.2@4597.43,-2127 4597.43,-2072.43 4580,-2055 C101.2@4541.37,-2055 ; L4.2@4533.69,-1909.71 cw(c4506.38,-1937.02) 4545,-1937.02 ccw(c4506.38,-1937.02) L4.2@4533.69,-1909.71 ; C99.2@4535.27,-1965 ccw(c4511.79,-1941.52) 4545,-1941.52 cw(c4511.79,-1941.52) C99.2@4535.27,-1965